# KiCad board main.kicad_pcb (continued)
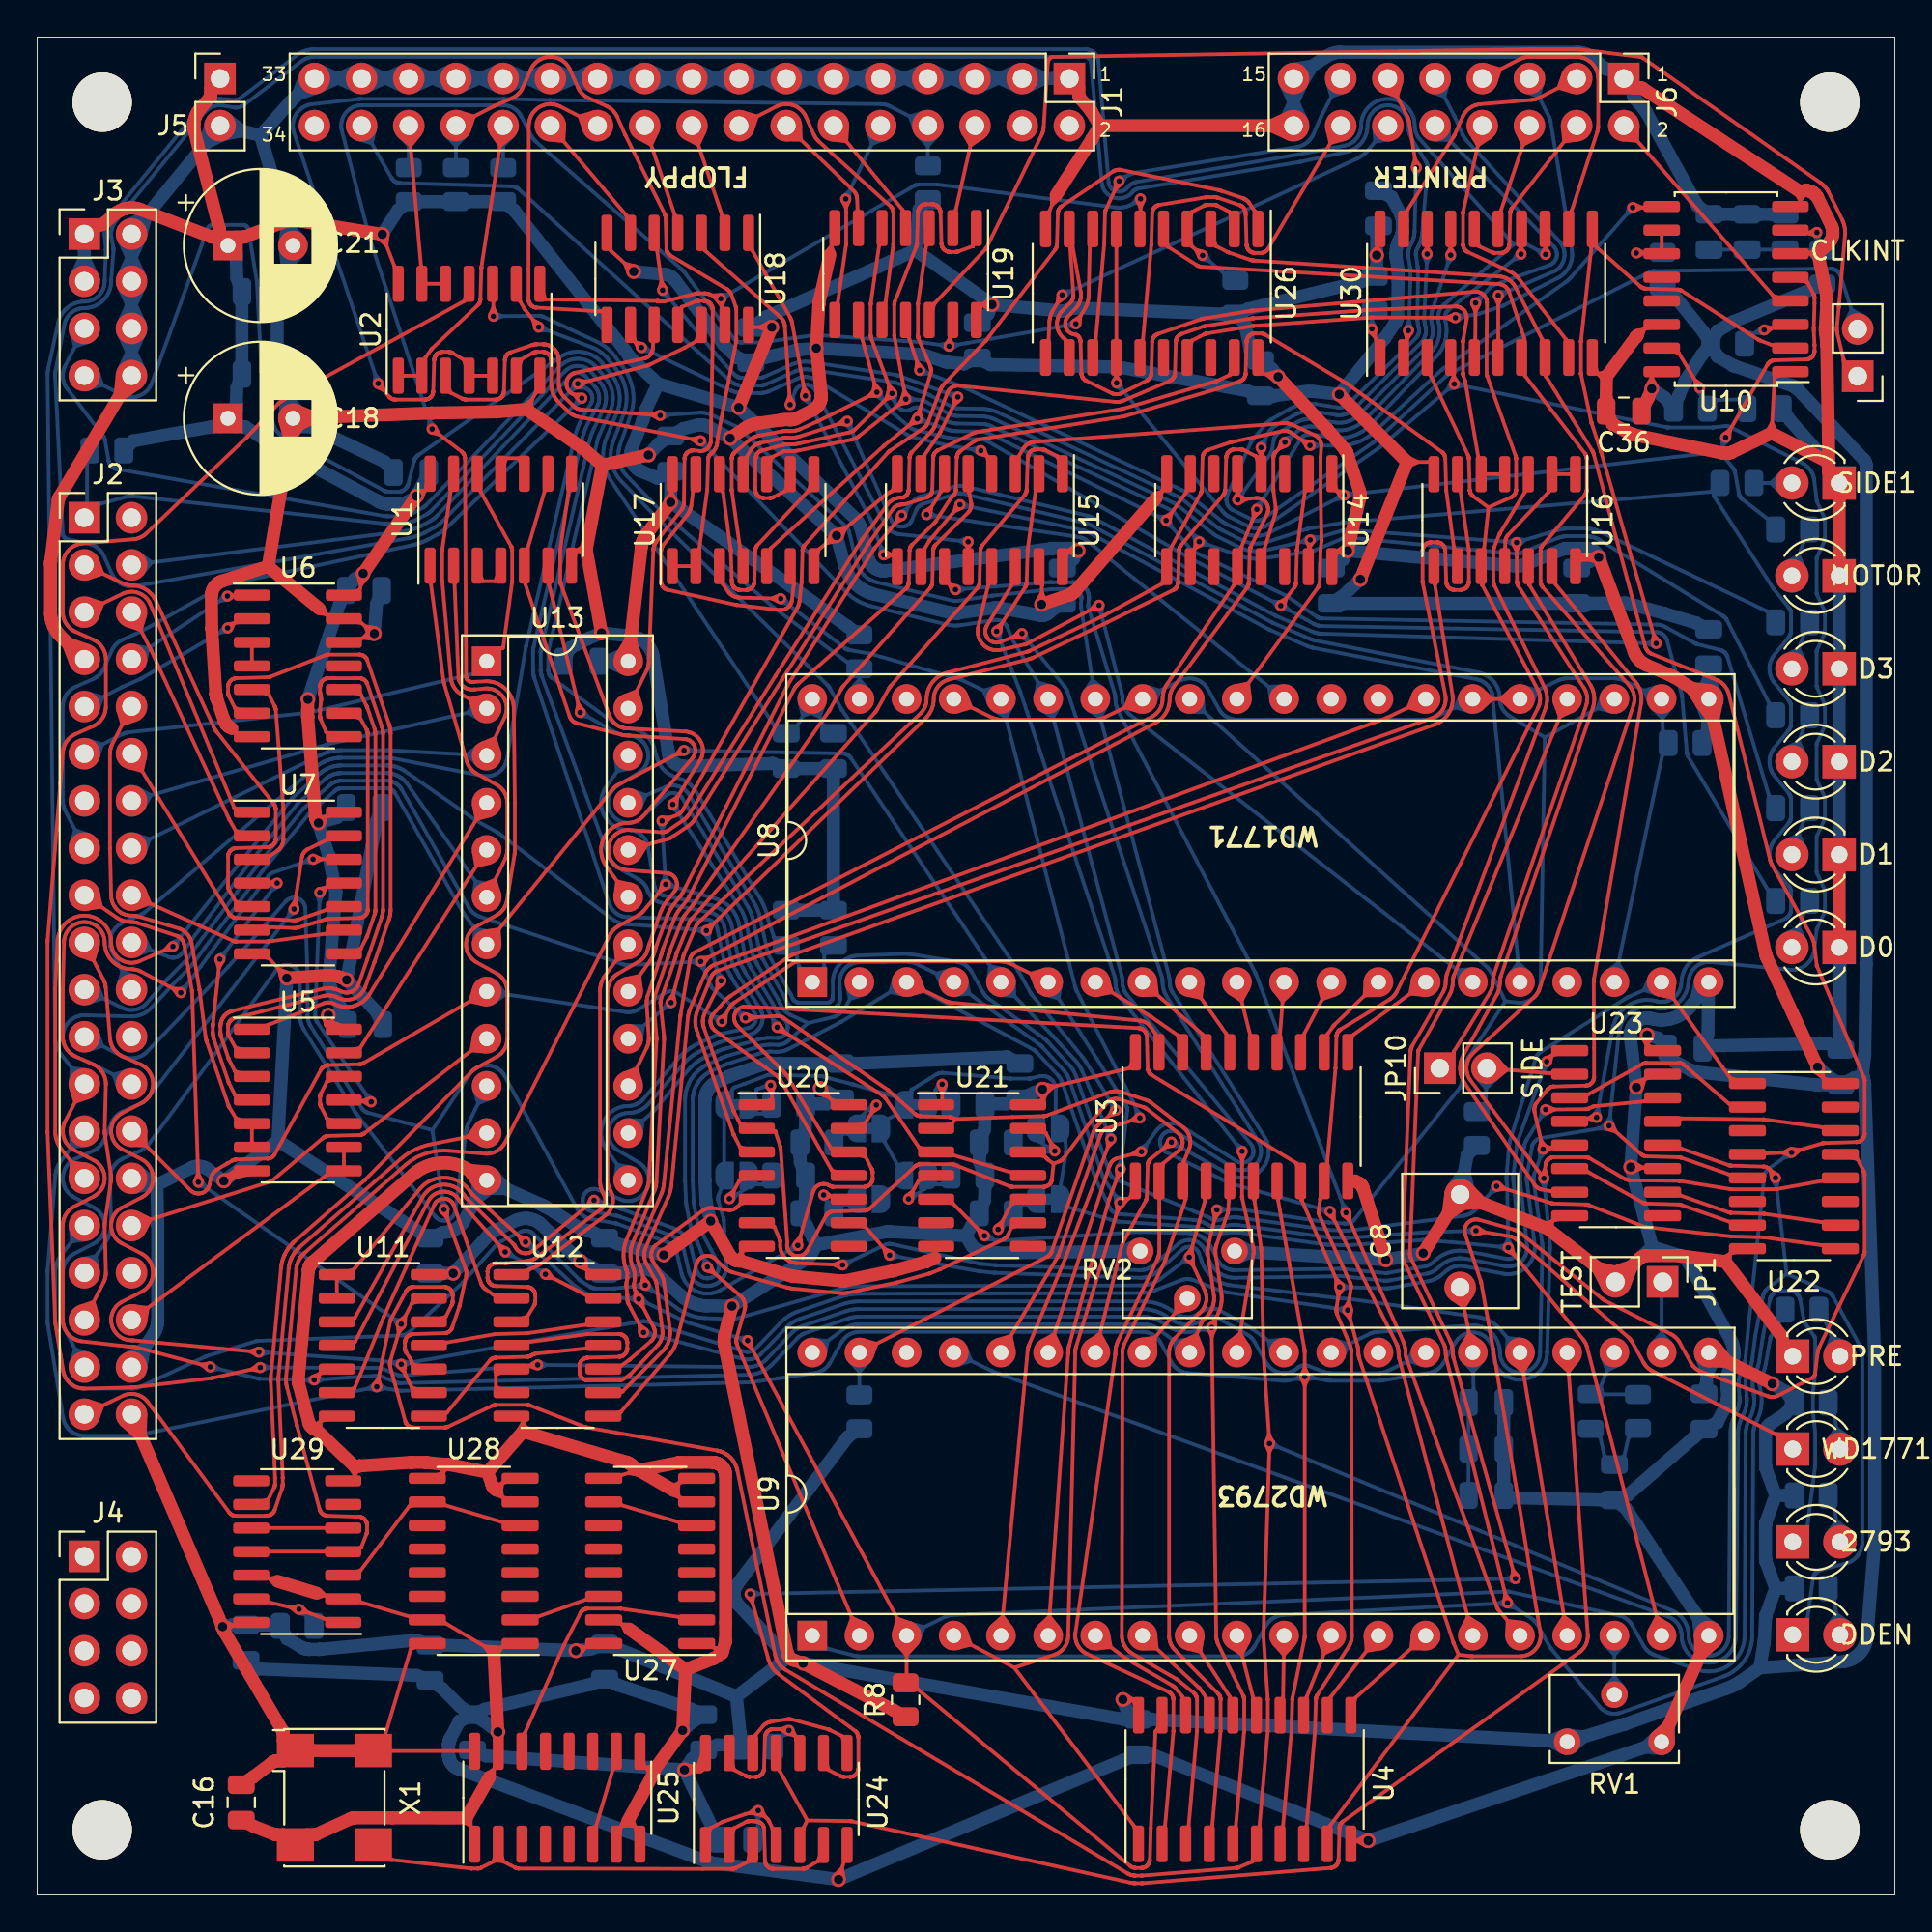
[diagram p0: board, top side]
## Routing (per net, layer and track width the routed paths; a pad name or vN(x,y) marks a point on that pad's centre or on a via; arc(x,y) is an arc through that point) (continued)
1MHz: length 111
  Top w0.2: 44.12,6.53 44.1,6.51 44.08,6.49 44.06,6.47 44.04,6.45 44.02,6.44 43.99,6.42 43.97,6.41 43.95,6.4 43.92,6.38 43.9,6.37 43.88,6.37 43.85,6.36 43.82,6.35 43.8,6.35 43.76,6.35 43.75,6.35 43.45,6.35 43.42,6.35 43.39,6.35 43.36,6.36 43.34,6.36 43.31,6.37 43.28,6.38 43.27,6.39 43.23,6.4 42.6,6.72 42.6,6.72 42.33,7.64 ; 82.66,63.74 81.97,63.41 81.7,64.13 ; 38.57,16.17 38.51,15.74 38.22,16.07 ; 44.12,6.53 44.14,6.56 44.15,6.59 44.16,6.6 44.17,6.64 44.18,6.66 44.19,6.68 44.2,6.71 44.2,6.74 44.21,6.76 44.21,6.8 44.21,6.81 44.21,8.46 44.21,8.49 44.2,8.52 44.2,8.55 44.2,8.57 44.19,8.6 44.18,8.63 44.17,8.64 44.16,8.67 44.14,8.7 44.13,8.71 44.11,8.74 44.09,8.76 44.08,8.78 44.05,8.81 44.03,8.82 39.95,11.84 39.89,11.9 39.82,11.95 39.76,12.01 39.71,12.07 39.65,12.13 39.6,12.2 39.56,12.26 39.51,12.34 39.47,12.41 39.44,12.48 39.4,12.56 39.38,12.64 39.35,12.72 v2(38.38,16.2) ; v2(79.58,17.02) 76.24,28.9 76.23,28.94 76.22,28.97 76.22,29.01 76.21,29.05 76.21,29.08 76.2,29.12 76.2,29.16 76.2,29.19 76.2,29.26 76.2,29.32 76.19,29.39 76.18,29.45 76.17,29.52 76.15,29.58 76.13,29.64 76.11,29.7 76.09,29.76 76.06,29.82 73.97,34.24 73.95,34.26 73.94,34.29 73.93,34.32 73.92,34.35 73.92,34.38 73.91,34.41 73.91,34.44 73.9,34.48 73.9,34.51 73.9,34.54 73.9,34.57 74.34,45.36 74.34,45.39 74.35,45.42 74.35,45.44 74.36,45.47 74.37,45.49 74.38,45.5 76.02,48.42 76.05,48.48 76.08,48.54 76.1,48.6 76.13,48.67 76.15,48.73 76.16,48.8 76.18,48.86 76.19,48.93 76.2,49 76.2,49.07 76.2,49.18 76.21,49.23 76.21,49.27 76.22,49.32 76.23,49.37 76.24,49.41 76.25,49.46 76.27,49.5 76.28,49.54 U8.24 ; 79.73,17.15 79.45,17.48 79.38,17.05
  Bottom w0.2: 38.46,16.38 38.86,16.21 38.46,16.02 ; 79.49,17.2 79.1,17.01 79.5,16.84 ; v2(79.58,17.02) v2(38.38,16.2)
2MHz: length 70.3
  Top w0.2: 81.88,28.69 82.44,28.16 82.91,28.76 ; 41.45,4.01 39.98,6.66 39.98,6.67 39.79,7.64 ; 41.45,4.01 43.75,3.97 43.79,3.97 43.82,3.97 43.84,3.96 58.87,0.66 58.89,0.65 58.92,0.64 58.95,0.64 58.98,0.64 59.04,0.63 59.08,0.63 59.12,0.63 59.14,0.63 59.44,0.63 59.47,0.63 59.51,0.63 59.53,0.63 69.62,1.45 69.66,1.45 69.68,1.46 69.7,1.46 69.74,1.47 69.76,1.48 69.78,1.49 69.81,1.5 69.83,1.51 69.85,1.52 69.88,1.54 69.9,1.56 69.91,1.57 69.94,1.6 69.95,1.62 69.96,1.63 69.98,1.66 70,1.69 70.01,1.7 70.02,1.73 70.03,1.76 70.04,1.78 70.05,1.81 70.05,1.84 70.05,1.85 70.06,1.9 70.1,3.59 70.11,3.64 70.11,3.66 70.12,3.69 70.13,3.72 70.14,3.75 70.15,3.79 70.17,3.81 70.18,3.84 70.2,3.87 70.22,3.89 70.24,3.91 70.26,3.93 70.28,3.95 70.29,3.95 83.01,13.05 83.06,13.09 83.1,13.13 83.14,13.17 83.19,13.21 83.22,13.26 83.26,13.3 83.29,13.35 83.33,13.4 83.35,13.46 83.38,13.51 83.4,13.57 83.42,13.62 83.44,13.68 83.45,13.74 83.46,13.8 83.47,13.86 83.47,13.92 83.47,13.98 83.47,14.04 U9.24 ; 41.45,4.01 41.27,3.65 U24.5
4MHz: length 23.1
  Top w0.2: U24.3 38.25,1.77 38.24,1.77 37.61,1.45 37.57,1.43 37.55,1.42 37.53,1.42 37.5,1.41 37.47,1.4 37.45,1.4 37.41,1.4 37.4,1.4 35.83,1.4 25.94,1.42 25.92,1.42 25.88,1.42 25.86,1.42 25.84,1.43 25.8,1.44 25.78,1.45 25.76,1.45 25.73,1.47 25.1,1.79 25.1,1.79 U25.2 24.55,1.79 24.55,1.79 23.92,1.47 23.88,1.45 23.85,1.44 23.84,1.43 23.8,1.43 23.78,1.42 23.76,1.42 23.72,1.42 23.7,1.42 23.41,1.42 23.38,1.42 23.34,1.42 19.11,1.89 19.1,1.89 19,1.89 X1.3
37XX: length 20.5
  Top w0.2: U13.4 17.9,48.49 17.85,48.42 17.81,48.36 17.75,48.29 17.7,48.23 17.63,48.17 17.57,48.12 17.5,48.07 17.44,48.02 17.36,47.98 17.29,47.94 17.21,47.91 17.13,47.88 17.06,47.85 16.97,47.83 16.89,47.82 16.81,47.81 16.73,47.8 16.64,47.8 16.56,47.8 16.48,47.81 16.39,47.82 16.31,47.84 16.23,47.86 16.15,47.89 16.07,47.92 16,47.96 15.99,47.96 15.95,47.98 15.92,47.99 15.89,48 15.85,48.01 15.82,48.02 15.78,48.03 15.75,48.03 15.71,48.04 15.67,48.04 15.64,48.04 15.6,48.03 15.57,48.03 15.53,48.02 15.5,48.01 15.46,48 15.43,47.99 12.5,46.86 12.49,46.85 U5.1 ; 24.39,58.11 23.65,57.9 23.51,58.65
40Hz: length 11.5
  Top w0.2: U29.3 17.41,17.46 17.41,17.46 20.02,20.91 20.03,20.92 U28.10 21.99,20.96 25.01,20.07 U28.6
58SEL: length 78.3
  Top w0.2: 64.96,81.64 64.98,81.67 65,81.7 65.01,81.71 65.02,81.74 65.03,81.77 65.04,81.79 65.05,81.82 65.05,81.85 65.05,81.86 65.06,81.91 65.1,83.6 65.11,83.65 65.11,83.67 65.12,83.7 65.13,83.73 65.14,83.76 65.15,83.8 65.17,83.82 65.18,83.85 65.2,83.88 65.22,83.9 65.24,83.92 65.26,83.94 65.28,83.96 65.32,83.98 65.34,84 65.38,84.02 65.41,84.03 65.43,84.03 65.47,84.04 65.49,84.05 65.54,84.05 65.56,84.05 65.86,84.05 65.89,84.05 65.93,84.05 65.95,84.04 65.97,84.04 66.01,84.03 66.03,84.02 66.08,84 66.1,83.99 70.46,81.38 70.49,81.36 70.51,81.35 75.62,77.67 75.64,77.65 75.66,77.63 75.68,77.61 75.7,77.59 75.71,77.58 75.73,77.55 75.74,77.52 75.75,77.51 75.77,77.47 75.78,77.45 75.78,77.43 75.79,77.4 75.8,77.37 75.8,77.35 75.8,77.31 75.85,75.64 75.85,75.58 76.27,72.5 76.27,72.49 U16.9 ; U13.15 32.81,45.6 32.84,45.65 32.86,45.7 32.87,45.75 32.89,45.79 32.9,45.85 32.91,45.9 32.92,45.95 32.92,46 32.93,46.05 32.93,46.1 32.92,46.15 32.81,47.95 32.81,48.01 32.81,48.06 32.81,48.12 32.82,48.17 32.83,48.23 32.84,48.28 32.85,48.34 32.86,48.39 32.88,48.45 33.59,50.58 33.6,50.61 33.61,50.64 33.61,50.67 33.62,50.7 33.64,50.75 33.65,50.8 33.66,50.85 33.68,50.9 33.7,50.95 33.71,51 34.31,52.56 34.33,52.63 34.36,52.69 34.39,52.76 34.43,52.82 34.47,52.88 34.5,52.94 34.55,53 34.59,53.06 34.95,53.5 34.97,53.54 35,53.57 35.02,53.6 35.05,53.64 35.07,53.68 35.09,53.71 35.11,53.75 40.73,64.87 40.75,64.92 40.78,64.96 40.8,65 40.83,65.03 40.86,65.07 40.89,65.11 40.92,65.14 40.95,65.17 40.99,65.21 46.76,70.3 46.77,70.32 46.8,70.34 46.81,70.36 46.82,70.37 ; 64.96,81.64 64.95,81.62 64.93,81.6 64.9,81.58 64.88,81.56 64.87,81.55 64.84,81.53 64.82,81.51 64.8,81.51 64.77,81.49 64.75,81.48 63.6,81.09 63.57,81.08 58.63,79.62 58.58,79.61 58.53,79.6 58.49,79.59 58.44,79.58 58.39,79.57 50.7,78.35 50.67,78.34 50.65,78.34 50.62,78.33 50.6,78.32 50.57,78.31 50.54,78.3 50.52,78.29 50.5,78.28 50.47,78.26 50.45,78.25 49.7,77.73 49.68,77.71 49.66,77.69 49.62,77.66 49.61,77.64 49.58,77.6 49.57,77.58 49.55,77.56 49.54,77.52 49.53,77.5 49.52,77.48 49.51,77.45 49.51,77.42 49.5,77.37 49.5,77.36 49.46,75.64 49.45,75.62 49.45,75.59 49.45,75.56 49.44,75.54 49.43,75.51 49.42,75.48 49.42,75.47 49.4,75.44 49.39,75.41 49.37,75.38 49.35,75.36 49.33,75.34 49.29,75.3 49.27,75.29 49.25,75.27 49.24,75.25 49.22,75.24 49.21,75.22 49.19,75.2 49.18,75.18 49.17,75.16 48.39,73.97 48.38,73.95 48.37,73.94 48.36,73.92 48.35,73.91 48.33,73.89 48.32,73.88 48.31,73.86 47.11,72.69 47.08,72.66 47.07,72.64 47.04,72.6 47.03,72.58 47.01,72.56 47,72.52 46.99,72.5 46.98,72.48 46.97,72.45 46.97,72.42 46.96,72.37 46.96,72.36 46.92,70.64 46.91,70.62 46.91,70.59 46.91,70.56 46.9,70.54 46.89,70.51 46.88,70.48 46.88,70.47 46.86,70.44 46.85,70.41 46.84,70.4 46.82,70.38 ; 32.49,43.74 32.27,44.48 31.56,44.2
/B1: length 4.2
  Bottom w0.2: D2.2 96.74,20.81 R22.2 ; 96.39,19.46 96.85,20.12 97.51,19.64
/B2: length 4.2
  Bottom w0.2: D3.2 96.74,25.81 R24.2 ; 96.39,24.46 96.85,25.12 97.51,24.64
/B3: length 4.2
  Bottom w0.2: 96.39,14.46 96.85,15.12 97.51,14.64 ; D4.2 96.74,15.81 R25.2
/B4: length 4.4
  Bottom w0.2: 96.3,29.3 96.6,30.05 97.35,29.73 ; R26.2 96.28,30.82 D5.2
/B5: length 4.3
  Bottom w0.2: 94.1,51.71 94.83,52.08 95.18,51.34 ; R27.2 95.09,52.81 95.08,52.81 D6.2
/B6: length 4.3
  Bottom w0.2: 95.18,56.34 94.83,57.08 94.1,56.71 ; D7.2 95.08,57.81 95.09,57.81 R28.2
/B7: length 4.3
  Bottom w0.2: 94.1,61.71 94.83,62.08 95.18,61.34 ; R29.2 95.09,62.81 95.08,62.81 D8.2
/B8: length 4.3
  Bottom w0.2: R30.2 95.09,67.81 95.08,67.81 D9.2 ; 95.18,66.34 94.83,67.08 94.1,66.71
/B9: length 4.3
  Bottom w0.2: 95.18,71.34 94.83,72.08 94.1,71.71 ; R31.2 95.09,72.81 95.08,72.81 D10.2
/B10: length 3.7
  Bottom w0.2: R32.2 D11.2 ; 93.9,75.43 93.32,76 93.9,76.57
/B11: length 5.2
  Top w0.2: U25.6 30.09,3.72 30.99,6.73 U25.10
/B12: length 5.2
  Top w0.2: U27.10 31.49,20.96 34.51,20.07 U27.6
/B13: length 4.7
  Top w0.2: U28.2 26.99,14.99 29.51,15.88 U27.14
/B14: length 5
  Top w0.2: U29.10 U29.5
/B15: length 8.9
  Top w0.2: U29.1 15.51,14.85 v2(14.1,15.37) 12.49,15.75 U29.13 ; 14.12,15.17 14.55,15.21 14.24,15.51 ; 14.06,15.57 13.63,15.48 13.98,15.21
  Bottom w0.2: R39.2 14.45,15.07 14.44,15.07 ; 14.44,15.07 14.28,15.45 ; 14.44,15.07 v2(14.1,15.37) ; 14.44,15.07 14.05,15.18
/B16: length 10.1
  Top w0.2: 38.69,4.69 38.35,4.41 38.78,4.34 ; 38.76,4.35 39.18,4.22 39,4.62 ; U24.1 36.25,3.6 36.25,3.6 36.88,3.92 36.92,3.94 36.95,3.94 38.08,4.33 38.12,4.35 v2(38.82,4.54) 39.24,4.16 39.26,4.14 39.28,4.12 39.3,4.1 39.32,4.08 39.34,4.05 39.36,4.03 39.37,4 39.39,3.98 39.4,3.95 39.42,3.93 39.55,3.63 U24.4
  Bottom w0.2: 39,4.45 38.81,4.06 38.63,4.46 ; v2(38.82,4.54) 38.8,3.68 R33.2
/B17: length 8.7
  Top w0.2: U24.2 37.52,3.6 37.52,3.6 38.15,3.92 38.19,3.93 ; 39.22,1.68 39.23,1.64 39.24,1.62 39.27,1.58 39.29,1.56 39.3,1.54 39.33,1.52 39.35,1.5 39.36,1.49 ; U24.6 42.03,1.82 42.03,1.82 41.44,1.46 41.41,1.45 41.38,1.43 41.36,1.42 41.34,1.42 41.31,1.41 41.28,1.4 41.26,1.4 41.22,1.4 41.21,1.4 39.64,1.4 39.61,1.4 39.58,1.4 39.55,1.41 39.53,1.41 39.5,1.42 39.47,1.43 39.46,1.44 39.42,1.45 39.4,1.47 39.38,1.48 39.36,1.49 ; 38.19,3.93 38.21,3.94 38.24,3.95 38.27,3.96 38.3,3.97 38.35,3.97 38.37,3.97 38.48,3.97 38.59,3.97 38.6,3.96 38.7,3.95 38.75,3.95 38.79,3.94 38.84,3.93 38.88,3.91 38.91,3.9 38.93,3.88 38.96,3.87 38.98,3.85 39.01,3.82 39.03,3.8 39.04,3.78 39.06,3.76 39.07,3.73 39.08,3.72 39.09,3.68 39.1,3.66 39.11,3.64 39.12,3.61 39.12,3.58 39.13,3.56 39.13,3.52 39.18,1.85 39.18,1.81 39.18,1.78 39.19,1.75 39.2,1.72 39.21,1.69 39.21,1.68
/B18: length 11.1
  Top w0.2: 40.01,8.92 v2(40.47,8.85) 40.8,8.57 ; 40.01,8.92 40.41,9.04 ; 40.01,8.92 40.36,8.69 ; 40.01,8.92 39.95,8.92 39.94,8.92 39.64,8.92 39.61,8.92 39.57,8.92 39.55,8.91 39.53,8.91 39.5,8.9 39.47,8.89 39.43,8.87 39.41,8.86 39.39,8.85 39.35,8.82 39.34,8.81 39.31,8.78 39.29,8.76 39.27,8.74 39.25,8.71 39.23,8.68 39.23,8.67 ; 40.8,8.57 40.65,8.93 ; 40.8,8.57 41.06,7.64 ; 40.8,8.57 40.42,8.66 ; 39.04,6.53 39.02,6.51 39,6.49 38.98,6.47 38.96,6.45 38.94,6.44 38.91,6.42 38.89,6.41 38.87,6.4 38.84,6.38 38.82,6.37 38.8,6.37 38.77,6.36 38.74,6.35 38.72,6.35 38.68,6.35 38.67,6.35 38.37,6.35 38.34,6.35 38.31,6.35 38.28,6.36 38.26,6.36 38.23,6.37 38.2,6.38 38.19,6.39 38.15,6.4 37.52,6.72 37.52,6.72 37.25,7.64 ; 39.04,6.53 39.06,6.56 39.07,6.59 39.08,6.6 39.09,6.64 39.1,6.66 39.11,6.68 39.12,6.71 39.12,6.74 39.13,6.76 39.13,6.8 39.18,8.47 39.18,8.51 39.18,8.54 39.19,8.57 39.2,8.6 39.21,8.63 39.23,8.67
  Bottom w0.2: 40.13,8.57 v2(40.47,8.85) ; 40.13,8.57 40.51,8.66 ; 40.13,8.57 40.28,8.93 ; 40.13,8.57 40.13,8.57 R34.2
/B19: length 7
  Top w0.2: 43.6,7.64 43.33,8.55 43.32,8.55 42.69,8.87 42.65,8.89 42.63,8.9 42.61,8.9 40.63,9.44 40.6,9.45 40.58,9.45 40.55,9.46 40.53,9.46 40.5,9.46 40.48,9.46 40.45,9.46 40.42,9.46 40.4,9.46 40.37,9.46 39.5,9.32 39.46,9.31 39.43,9.3 39.39,9.29 39.36,9.28 39.32,9.27 39.29,9.25 39.26,9.23 39.22,9.21 39.19,9.19 39.16,9.17 39.13,9.15 39.11,9.12 39.08,9.1 39.06,9.07 ; 39.06,9.07 38.68,8.62 38.68,8.61 38.52,7.64
/B20: length 6.2
  Bottom w0.2: 84.38,13.48 84.9,12.92 85.42,13.48 ; 84.43,11.18 84.9,11.74 85.38,11.18 ; U9.18 RV1.2
/B21: length 6.8
  Top w0.2: 62.02,31.51 61.3,31.38 61.3,32.11 ; 60.2,29.23 60.16,30 59.4,29.89 ; U9.33 61.92,32.12
/B22: length 16
  Top w0.2: 76.16,32.09 76.81,31.63 77.23,32.3 ; 76.68,29.56 77.08,30.22 77.7,29.76 ; U9.26 C8.1
  Bottom w0.2: U9.26 77.32,27.23 77.32,27.22 C5.2 C4.2 C6.2 ; 76.77,28.71 77.3,28.16 77.81,28.73
/B23: length 6.7
  Bottom w0.2: 85.21,28.57 84.52,28.23 84.25,28.95 ; U9.23 84.19,27.42 D1.2 84.23,26.94 85.57,26.94 R7.2
/B24: length 4.8
  Bottom w0.2: D1.1 84.15,24.6 84.36,23.65 C7.2 85.44,23.65 85.66,24.6 R7.1
CENP: length 141.2
  Top w0.2: 78.43,70.52 78.42,70.54 78.41,70.57 78.4,70.6 78.39,70.63 78.39,70.68 78.39,70.7 78.39,72.35 78.39,72.38 78.39,72.41 78.4,72.44 78.4,72.46 78.41,72.5 78.42,72.52 78.69,73.18 78.7,73.21 78.71,73.23 78.72,73.26 78.74,73.28 78.75,73.3 78.76,73.33 80.08,75.5 80.08,75.51 U16.3 ; v2(79.15,15.71) 75.87,28.84 75.85,28.89 75.84,28.94 75.84,28.99 75.83,29.04 75.83,29.09 75.82,29.14 75.82,29.19 75.82,29.24 75.82,29.29 75.81,29.34 75.8,29.39 75.79,29.44 75.78,29.48 75.77,29.53 75.75,29.57 75.74,29.62 75.72,29.66 73.6,34.05 73.58,34.1 73.56,34.15 73.54,34.19 73.53,34.24 73.52,34.29 73.51,34.34 73.5,34.39 73.49,34.44 73.49,34.49 73.49,34.54 73.49,34.59 73.93,45.38 73.93,45.41 73.94,45.44 73.94,45.47 73.95,45.5 73.95,45.53 73.96,45.56 73.97,45.59 73.98,45.62 74,45.65 74.01,45.68 74.03,45.71 75.68,48.6 75.7,48.64 75.73,48.69 75.75,48.74 75.76,48.78 75.78,48.83 75.79,48.88 75.8,48.93 75.81,48.98 75.82,49.03 75.82,49.08 75.82,49.19 75.83,49.25 75.83,49.31 75.84,49.36 75.85,49.42 75.86,49.48 75.88,49.53 75.89,49.59 75.91,49.64 81.19,63.87 81.21,63.94 81.24,64.01 81.25,64.08 81.27,64.15 81.27,64.23 81.28,64.3 81.28,64.37 81.28,64.45 81.27,64.52 81.27,64.6 81.25,64.67 81.24,64.74 81.21,64.81 81.19,64.88 81.16,64.95 81.13,65.02 78.44,70.49 78.43,70.52 ; 78.95,15.75 79.03,16.18 79.3,15.84
  Bottom w0.2: R26.1 93.76,30.81 93.76,30.8 93.33,30.05 93.32,30.03 93.31,30.01 93.3,29.99 93.3,29.97 93.29,29.95 93.06,28.65 93.04,28.54 93.02,28.44 92.99,28.33 92.96,28.23 92.92,28.13 92.88,28.03 92.84,27.93 92.8,27.83 92.79,27.81 92.77,27.78 92.76,27.75 92.75,27.72 92.74,27.69 92.73,27.66 92.73,27.62 92.72,27.59 92.72,27.56 92.72,27.53 92.72,27.5 92.72,27.46 92.72,27.43 92.73,27.4 92.79,27.02 92.81,26.91 92.82,26.8 92.83,26.69 92.83,26.58 92.83,26.47 92.82,26.36 92.8,26.25 92.78,26.14 92.76,26.03 92.73,25.92 92.69,25.81 92.65,25.71 92.61,25.61 92.58,25.55 92.57,25.52 92.53,25.44 92.51,25.4 92.49,25.36 92.48,25.32 92.46,25.28 92.45,25.24 92.44,25.2 92.43,25.16 92.42,25.12 92.4,25.03 92.39,24.99 92.39,24.95 92.39,24.92 92.38,24.88 92.38,24.84 92.38,24.81 92.32,13.94 92.32,13.81 92.31,13.68 92.29,13.55 92.26,13.42 92.23,13.3 92.19,13.17 92.14,13.05 92.09,12.93 92.03,12.82 91.96,12.71 91.89,12.6 91.81,12.49 91.73,12.39 91.64,12.3 91.54,12.21 91.44,12.12 91.34,12.05 91.23,11.97 91.12,11.91 91,11.85 90.88,11.79 90.76,11.75 85.24,9.81 85.19,9.79 85.13,9.78 85.08,9.77 85.02,9.76 84.97,9.75 84.91,9.75 84.85,9.75 84.8,9.76 84.74,9.76 84.68,9.77 84.63,9.79 84.57,9.8 84.52,9.82 84.47,9.85 84.42,9.87 84.37,9.9 84.32,9.93 84.27,9.96 84.23,10 84.19,10.04 84.15,10.08 84.11,10.12 81.51,13.24 ; 79.12,15.52 79.55,15.45 79.32,15.82 ; 42.52,13.25 42.55,13.25 43.98,12.88 44.02,12.87 44.06,12.86 44.1,12.86 44.14,12.85 44.18,12.85 44.22,12.85 44.26,12.84 64.58,12.84 64.64,12.85 64.71,12.85 64.77,12.86 64.83,12.87 64.89,12.89 64.95,12.91 65.01,12.93 65.06,12.95 65.12,12.98 65.17,13.01 65.22,13.05 65.27,13.09 65.32,13.13 65.37,13.17 65.41,13.21 65.45,13.26 65.49,13.31 65.52,13.36 65.55,13.42 66.15,14.49 66.18,14.55 66.21,14.59 66.25,14.64 66.29,14.69 66.33,14.73 66.37,14.77 66.41,14.81 66.46,14.85 66.51,14.88 66.56,14.91 66.61,14.94 66.66,14.97 66.72,14.99 66.77,15.01 66.83,15.03 66.89,15.04 66.95,15.05 67,15.06 67.06,15.06 v2(79.15,15.71) 80.43,14.89 80.47,14.86 80.51,14.83 80.54,14.8 80.58,14.77 80.62,14.73 80.65,14.69 80.68,14.66 80.71,14.62 80.74,14.58 80.77,14.54 80.79,14.49 81.39,13.42 81.41,13.39 81.43,13.36 81.45,13.33 81.47,13.3 81.49,13.27 81.51,13.24 ; U9.1 42.42,13.25 42.52,13.25 ; 79.07,15.53 78.67,15.69 79.05,15.89
D0: length 93.1
  Top w0.2: 45.05,81.02 44.77,80.68 45.21,80.69 ; 66.85,69.57 67.23,69.78 67.14,69.35 ; 37.44,77.51 37.45,77.53 37.46,77.55 37.49,77.58 37.5,77.6 37.53,77.63 37.55,77.65 38.33,78.3 38.36,78.33 38.4,78.36 38.43,78.38 38.47,78.4 38.51,78.42 38.54,78.44 38.58,78.46 38.62,78.48 38.65,78.49 38.68,78.5 38.71,78.51 38.75,78.52 38.78,78.53 38.82,78.54 38.85,78.55 38.89,78.56 40.08,78.78 40.13,78.79 40.18,78.79 40.23,78.8 40.27,78.8 40.32,78.8 40.37,78.8 40.42,78.8 40.44,78.8 40.5,78.79 40.56,78.79 40.62,78.8 40.69,78.8 40.75,78.81 40.81,78.82 40.87,78.83 40.93,78.85 40.99,78.87 41.05,78.89 41.11,78.92 41.98,79.3 42.01,79.32 42.03,79.33 v2(45.2,80.89) 44.4,83.81 U19.9 ; 45.36,81.02 45.08,81.35 45.01,80.92 ; v2(66.94,69.4) 67.67,70.37 67.69,70.4 67.71,70.43 67.72,70.44 67.73,70.48 67.74,70.5 67.75,70.52 67.76,70.55 67.76,70.58 67.76,70.6 67.77,70.64 67.81,72.36 67.82,72.42 68.24,75.5 U14.2 ; U17.4 37.84,72.5 37.39,75.58 37.39,75.63 37.39,75.65 37.39,77.3 37.39,77.33 37.39,77.36 37.4,77.39 37.4,77.41 37.41,77.44 37.42,77.47 37.44,77.51
  Bottom w0.2: 66.79,69.27 66.52,69.62 66.96,69.6 ; 67.11,69.52 67.37,69.16 66.93,69.2 ; 45.11,80.71 45.49,80.5 45.4,80.93 ; v2(45.2,80.89) 45.52,80.46 45.53,80.45 45.95,79.9 45.97,79.87 45.99,79.85 46.01,79.82 46.03,79.8 46.06,79.78 46.08,79.76 46.1,79.73 46.98,78.99 47,78.98 47.03,78.96 47.05,78.95 47.07,78.93 47.09,78.92 47.11,78.91 47.14,78.9 47.16,78.89 47.19,78.88 47.21,78.87 47.24,78.87 49.04,78.44 49.11,78.42 49.18,78.41 49.25,78.4 49.31,78.39 49.38,78.39 49.45,78.38 49.52,78.38 50.81,78.36 50.84,78.36 50.86,78.35 50.89,78.35 50.92,78.34 50.95,78.34 50.97,78.33 51,78.32 51.03,78.31 51.05,78.3 51.08,78.29 51.1,78.28 62.04,71.96 62.08,71.94 v2(66.94,69.4) 68.71,68.42 68.75,68.4 68.8,68.38 68.82,68.37 68.84,68.36 68.86,68.36 68.87,68.35 68.89,68.34 68.91,68.34 68.96,68.33 68.98,68.32 69,68.32 69.02,68.31 69.04,68.31 69.06,68.31 69.08,68.31 69.13,68.3 69.17,68.3 87.16,67.97 87.2,67.97 87.23,67.97 87.26,67.96 87.3,67.95 87.33,67.94 87.36,67.93 87.4,67.92 87.43,67.91 87.46,67.89 87.49,67.87 87.51,67.85 87.54,67.83 87.57,67.81 87.59,67.78 87.61,67.76 87.64,67.73 87.66,67.7 87.67,67.68 87.69,67.65 87.71,67.62 87.72,67.58 87.73,67.55 87.74,67.52 88.51,64.66 88.52,64.63 88.53,64.6 88.54,64.57 88.54,64.53 88.54,64.5 88.55,64.47 88.8,61.52 88.81,61.47 88.81,61.44 88.82,61.4 88.83,61.37 88.84,61.35 88.85,61.31 88.87,61.28 88.88,61.27 93.14,54.13 93.15,54.13 R27.1
D1: length 85.7
  Top w0.2: 60.67,74.16 61.05,74.38 60.97,73.95 ; v2(60.77,73.99) 61.86,75.51 61.86,75.51 U14.7 ; U19.3 47.86,88.75 47.41,85.67 47.41,85.62 47.41,85.6 47.41,83.95 47.41,83.92 47.41,83.89 47.42,83.86 47.42,83.84 47.43,83.8 47.44,83.78 48.07,82.3 48.08,82.27 48.09,82.24 48.1,82.21 48.1,82.18 48.11,82.15 48.11,82.12 48.12,82.09 48.12,82.06 48.12,82.03 48.12,82.01 48.11,81.98 48.11,81.95 48.1,81.92 48.09,81.89 v2(47.38,79.46) 45.6,78.02 45.58,78 39.49,72.49 39.48,72.49 U17.5 ; 47.58,79.49 47.51,79.92 47.23,79.59 ; 47.43,79.27 47,79.16 47.2,79.55
  Bottom w0.2: 60.97,74.04 61.09,73.62 60.69,73.8 ; 47.39,79.26 47.83,79.3 47.52,79.6 ; 60.62,73.86 60.34,74.2 60.78,74.19 ; R28.1 93.22,59.18 93.22,59.18 90.99,66.64 90.98,66.67 90.97,66.68 90.95,66.73 90.94,66.76 90.93,66.77 90.9,66.81 90.88,66.84 90.87,66.85 90.83,66.89 90.81,66.9 90.8,66.91 90.75,66.94 90.73,66.96 90.71,66.97 90.67,66.99 90.64,67 90.62,67 90.58,67.02 89.39,67.32 89.33,67.34 89.31,67.34 89.29,67.35 89.24,67.38 89.23,67.38 87.64,68.25 87.6,68.27 87.56,68.29 87.52,68.31 87.48,68.33 87.44,68.34 87.39,68.35 87.35,68.36 87.3,68.37 87.26,68.37 87.22,68.38 87.17,68.38 69.18,68.71 69.16,68.71 69.11,68.72 69.08,68.72 69.06,68.72 69.01,68.74 68.99,68.75 68.97,68.75 68.92,68.78 68.9,68.79 68.89,68.8 67.29,69.9 67.26,69.92 67.24,69.93 67.21,69.95 62.29,72.29 62.27,72.3 62.25,72.31 62.23,72.33 62.2,72.34 62.18,72.36 62.16,72.37 62.14,72.39 62.13,72.41 62.11,72.42 62.09,72.44 v2(60.77,73.99) 51.25,78.66 51.21,78.68 51.17,78.7 51.12,78.71 51.08,78.73 51.04,78.74 50.99,78.75 50.95,78.76 50.9,78.76 50.86,78.77 50.82,78.77 49.53,78.79 49.45,78.79 49.38,78.8 49.3,78.81 49.23,78.82 49.15,78.84 49.08,78.85 49.01,78.87 48.94,78.9 v2(47.38,79.46)
D2: length 83.9
  Top w0.2: 62.31,72.47 62.36,72.86 ; 62.31,72.47 v2(62.55,72.84) ; 62.31,72.47 62.65,72.67 ; 62.31,72.47 U14.10 ; 45.82,80.89 45.67,80.49 46.08,80.63 ; 46.15,80.96 45.84,81.27 45.81,80.84 ; U19.5 45.32,88.75 44.87,85.67 44.87,85.62 44.87,85.6 44.87,83.95 44.87,83.92 44.87,83.89 44.88,83.86 44.88,83.84 44.89,83.81 44.9,83.79 v2(46.01,80.82) 44.03,78.89 44.01,78.87 43.99,78.85 43.97,78.84 43.95,78.82 43.92,78.8 43.9,78.79 43.87,78.78 43.85,78.77 43.82,78.76 43.79,78.75 43.77,78.74 43.74,78.73 41,78.12 40.92,78.11 40.85,78.1 40.78,78.09 40.71,78.08 40.63,78.07 40.56,78.07 40.48,78.07 40.34,78.08 40.32,78.08 40.3,78.07 40.27,78.07 40.25,78.07 40.23,78.07 40.21,78.06 40.18,78.06 40.16,78.05 39.01,77.75 38.98,77.74 38.95,77.73 38.91,77.71 38.89,77.7 38.87,77.69 38.84,77.67 38.82,77.65 38.8,77.63 38.78,77.61 38.77,77.59 38.75,77.56 38.74,77.54 38.72,77.51 38.71,77.46 38.7,77.42 38.69,77.37 38.68,77.33 38.67,77.23 38.67,77.2 38.66,75.75 38.66,75.64 38.66,75.61 38.66,75.58 38.67,75.55 38.68,75.51 38.69,75.48 38.71,75.44 38.72,75.42 38.74,75.4 38.76,75.37 38.77,75.35 38.79,75.33 38.81,75.31 38.83,75.29 38.84,75.28 38.87,75.26 38.9,75.25 38.91,75.24 38.95,75.22 38.97,75.21 38.99,75.21 39.02,75.2 39.05,75.19 39.07,75.19 39.11,75.19 39.12,75.19 39.42,75.19 39.45,75.19 39.48,75.19 39.51,75.2 39.53,75.2 39.56,75.21 39.59,75.22 39.6,75.23 39.64,75.24 40.27,75.56 U17.9
  Bottom w0.2: 62.36,72.78 62.24,73.2 62.64,73.02 ; 46.21,80.8 46.17,80.37 45.87,80.68 ; 62.69,72.98 63.01,72.68 62.57,72.64 ; v2(46.01,80.82) 46.18,80.32 46.2,80.28 46.21,80.25 46.23,80.22 46.25,80.19 46.27,80.16 46.29,80.13 46.31,80.1 46.34,80.07 46.37,80.05 46.39,80.03 46.42,80.01 46.46,79.99 46.49,79.97 46.52,79.95 46.55,79.94 46.59,79.93 46.62,79.92 46.66,79.91 46.7,79.91 46.73,79.91 46.77,79.9 46.8,79.91 46.84,79.91 46.88,79.92 46.91,79.92 46.95,79.93 46.98,79.95 47.01,79.96 47.05,79.98 47.09,80 47.12,80.01 47.15,80.03 47.18,80.04 47.21,80.05 47.24,80.06 47.28,80.06 47.31,80.07 47.34,80.07 47.37,80.07 47.41,80.07 47.44,80.07 47.47,80.06 47.5,80.06 47.54,80.05 47.57,80.04 47.6,80.03 47.63,80.02 47.66,80 48.91,79.36 48.96,79.33 49.02,79.3 49.09,79.28 49.15,79.26 49.21,79.24 49.28,79.23 49.34,79.22 49.4,79.21 49.47,79.2 49.54,79.2 50.82,79.18 50.88,79.17 50.94,79.17 51,79.16 51.06,79.15 51.12,79.14 51.18,79.13 51.24,79.11 51.29,79.09 51.35,79.07 51.4,79.04 61.03,74.54 61.06,74.53 61.08,74.51 61.1,74.5 61.12,74.49 61.14,74.47 61.16,74.45 61.18,74.44 61.2,74.42 61.22,74.4 61.24,74.38 v2(62.55,72.84) 64.79,72.07 64.9,72.03 65.01,72 65.12,71.98 65.24,71.96 65.35,71.94 65.47,71.93 65.58,71.92 65.7,71.92 65.82,71.93 65.93,71.94 66.05,71.95 68.62,72.33 68.64,72.34 68.66,72.34 68.68,72.35 68.7,72.35 68.72,72.36 68.74,72.37 68.76,72.38 70.26,73.01 70.29,73.02 70.32,73.03 70.35,73.04 70.38,73.05 70.41,73.05 70.44,73.06 70.48,73.06 70.51,73.06 70.54,73.06 70.57,73.06 70.6,73.06 79.58,72.19 79.6,72.19 79.63,72.19 79.66,72.19 79.68,72.19 79.71,72.19 79.74,72.2 79.76,72.2 79.79,72.21 79.81,72.21 79.84,72.22 79.86,72.23 81.85,73.04 81.88,73.05 81.91,73.06 81.93,73.07 81.96,73.08 82.02,73.09 82.07,73.1 82.1,73.11 82.14,73.12 82.17,73.12 82.21,73.13 82.24,73.13 82.29,73.14 82.33,73.14 82.37,73.14 82.39,73.14 83.34,73.14 83.39,73.14 83.43,73.14 83.5,73.13 83.53,73.13 83.57,73.12 83.6,73.12 83.64,73.11 83.67,73.1 83.7,73.1 83.75,73.08 83.78,73.07 83.82,73.06 83.85,73.05 83.88,73.04 83.91,73.03 83.94,73.01 83.99,72.99 84.01,72.98 84.04,72.97 84.06,72.95 84.09,72.94 84.11,72.93 90.74,68.85 90.76,68.84 90.8,68.81 90.82,68.79 90.84,68.78 90.87,68.74 90.89,68.72 90.9,68.71 90.93,68.67 90.95,68.64 90.95,68.63 93.22,64.18 R29.1
D3: length 116.4
  Top w0.2: 79.82,72.72 79.64,72.32 79.45,72.71 ; 47.34,88.77 47.33,88.74 47.33,88.74 46.17,85.76 46.16,85.74 46.16,85.73 ; 46.16,85.73 46.15,85.7 46.14,85.67 46.14,85.62 46.14,85.6 46.14,83.95 46.14,83.92 46.14,83.88 46.15,83.87 v2(46.76,80.52) 44.24,78.53 44.2,78.5 44.16,78.47 44.12,78.45 44.08,78.42 44.04,78.4 43.99,78.38 43.95,78.37 43.9,78.35 43.86,78.34 43.81,78.33 41.03,77.76 40.94,77.75 40.86,77.73 40.77,77.72 40.68,77.72 40.59,77.71 40.51,77.71 40.42,77.71 40.33,77.72 40.3,77.72 40.28,77.72 40.25,77.72 40.22,77.71 40.2,77.71 40.17,77.7 40.16,77.69 39.54,77.39 39.54,77.39 U17.10 ; 47.34,88.77 47.35,88.8 47.36,88.83 47.36,88.85 47.36,88.89 47.41,90.56 47.41,90.6 47.42,90.63 47.42,90.66 47.43,90.69 47.44,90.72 47.46,90.76 ; 68.48,72.51 v2(68.53,72.94) ; 68.48,72.51 68.34,72.87 ; 68.48,72.51 68.69,72.82 ; 68.48,72.51 68.48,72.5 68.47,72.4 U14.15 ; U19.1 50.37,88.76 50.36,88.75 49.6,88.47 49.57,88.46 49.54,88.45 49.51,88.44 49.49,88.44 49.45,88.44 49.44,88.44 49.14,88.44 49.11,88.44 49.08,88.44 49.05,88.45 49.03,88.45 49,88.46 48.97,88.47 48.96,88.48 48.93,88.49 48.9,88.51 48.89,88.52 48.86,88.54 48.84,88.55 48.82,88.57 48.8,88.59 48.78,88.61 48.76,88.65 48.74,88.67 48.73,88.69 48.71,88.73 48.7,88.75 48.7,88.77 48.69,88.8 48.69,88.83 48.68,88.88 48.68,88.89 48.63,90.56 48.63,90.58 48.63,90.61 48.62,90.64 48.62,90.66 48.61,90.69 48.6,90.72 48.59,90.73 48.58,90.76 48.56,90.79 48.55,90.8 48.53,90.83 48.52,90.85 48.5,90.87 48.48,90.89 48.46,90.91 48.42,90.93 48.4,90.95 48.38,90.96 48.34,90.98 48.32,90.99 48.3,90.99 48.27,91 48.24,91.01 48.19,91.01 48.17,91.01 47.87,91.01 47.84,91.01 47.81,91.01 47.78,91 47.76,91 47.73,90.99 47.7,90.98 47.69,90.97 ; 46.81,80.32 46.38,80.22 46.58,80.61 ; 46.92,80.63 46.67,80.99 46.57,80.56 ; 47.46,90.76 47.47,90.78 47.48,90.8 47.51,90.83 47.52,90.85 47.55,90.88 47.57,90.9 47.59,90.91 47.62,90.94 47.65,90.95 47.69,90.97 ; JP10.1 76.25,45.25 76.25,45.35 76.25,45.37 76.26,45.39 76.26,45.4 78.2,48.57 78.23,48.61 78.25,48.66 78.27,48.7 78.29,48.75 78.31,48.79 78.32,48.84 78.33,48.89 78.34,48.94 78.35,48.99 78.36,49.04 78.36,49.08 78.36,49.19 78.37,49.25 78.37,49.31 78.38,49.37 78.39,49.43 78.41,49.49 78.42,49.55 78.44,49.61 83.38,64.02 83.4,64.08 83.41,64.13 83.43,64.19 83.43,64.25 83.44,64.3 83.44,64.36 83.44,64.42 83.44,64.48 83.43,64.53 83.42,64.59 83.41,64.65 83.39,64.7 83.37,64.75 83.35,64.81 83.33,64.86 83.3,64.91 83.27,64.96 79.73,70.46 79.72,70.48 79.7,70.52 79.69,70.54 79.68,70.57 79.67,70.6 79.67,70.63 79.66,70.68 79.66,70.7 v2(79.64,72.8)